# Altium PCB 200330 DISCHARGE R2.PcbDoc (part 1 of 2) (continued)
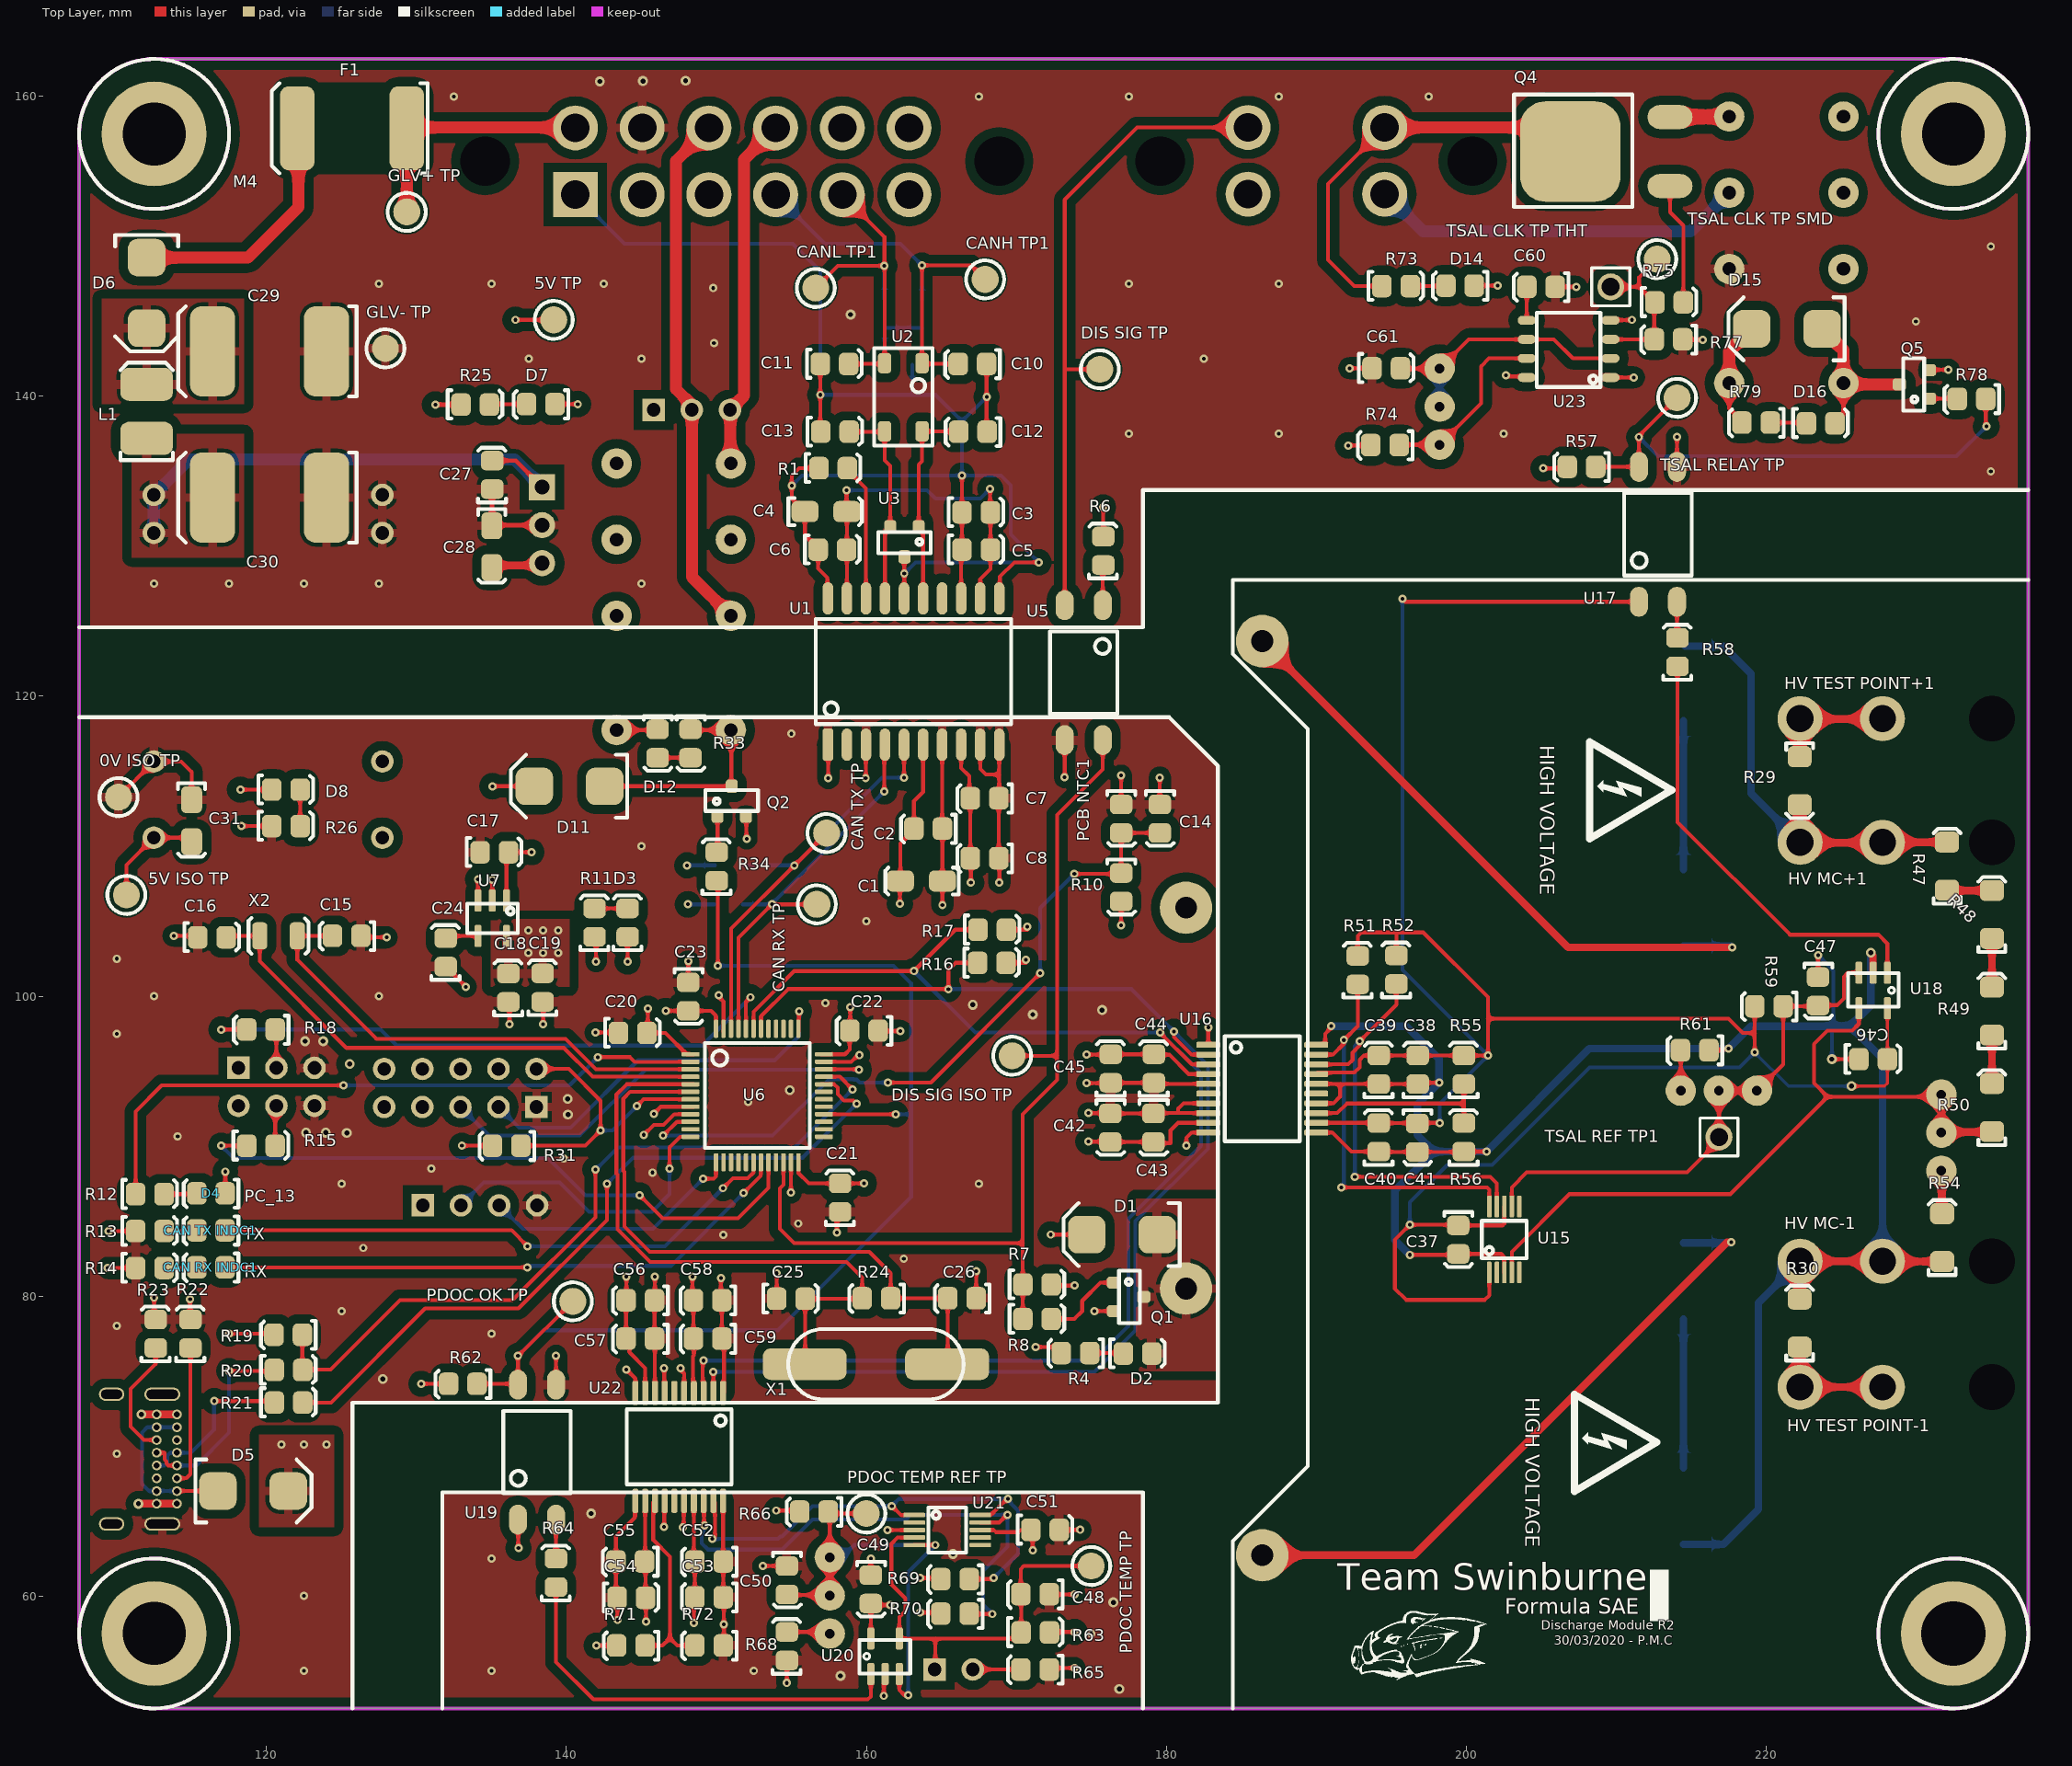
[diagram p0: Top Layer view]
## Components (designator, comment, footprint, x,y, rotation, side; value= is the part's Value field where it differs from the comment)
"0V ISO TP" "0mm" "SMD Test Point" 110.125,113.275 r90 top
"5V ISO TP" "0mm" "SMD Test Point" 110.65,106.75 r90 top
"5V TP" "0mm" "SMD Test Point" 139.15,145.1 r270 top
BOOT1 "2.54mm" "TH 2.54mm Header 2x3" 118.115,95.222 r0 bottom
C1 "10nF" 1206 162.475,107.675 r180 top
C2 "100nF" 0805 164.113,111.149 r180 top
C3 "100nF" 0805 167.342,132.288 r0 top
C4 "10nF" 1206 158.505,132.317 r0 top
C5 "10uF" 0805 167.342,129.803 r0 top
C6 "100nF" 0805 157.751,129.803 r0 top
C7 "10uF" 0805 167.875,113.175 r180 top
C8 "100nF" 0805 167.875,109.175 r180 top
C9 "22pF" 0805 162.1,142.125 r180 bottom
C10 "100pF" 0805 167.062,142.136 r180 top
C11 "100pF" 0805 157.886,142.188 r0 top
C12 "100pF" 0805 167.093,137.612 r180 top
C13 "100pF" 0805 157.917,137.664 r0 top
C14 "100nF" 0805 179.6,111.823 r270 top
C15 "22pF" 0805 125.338,103.999 r180 top
C16 "22pF" 0805 116.362,103.951 r0 top
C17 "1uF" 0805 135.2,109.625 r0 top
C18 "100nF" 0805 136.1,100.575 r90 top
C19 "1uF" 0805 138.384,100.584 r90 top
C20 "1uF" 0805 144.425,97.575 r0 top
C21 "100nF" 0805 158.225,86.575 r90 top
C22 "100nF" 0805 159.825,97.675 r180 top
C23 "100nF" 0805 148.151,99.963 r270 top
C24 "22uF" 0805 131.924,102.937 r90 top
C25 "22pF" 0805 154.987,79.851 r0 top
C26 "22pF" 0805 166.363,79.83 r180 top
C27 "10uF" 0805 135.025,134.775 r90 top
C28 "22uF" 1206 135.025,128.775 r270 top
C29 "68uF" 2924 120.25,143 r180 top
C30 "22uF" 2924 120.25,133.25 r180 top
C31 "22uF" 1206 115,110.5 r270 top
C37 "100nF" 0805 199.5,83.75 r270 top
C38 "10nF" 0805 196.75,95.1 r90 top
C39 "100nF" 0805 194.146,95.1 r90 top
C40 "10uF" 0805 194.146,90.6 r90 top
C41 "100nF" 0805 196.771,90.552 r270 top
C42 "100nF" 0805 176.3,91.213 r270 top
C43 "10uF" 0805 179.17,91.213 r270 top
C44 "100nF" 0805 179.149,95.187 r90 top
C45 "10nF" 0805 176.279,95.187 r90 top
C46 "100nF" 0805 227.162,95.826 r0 top
C47 "100nF" 0805 223.504,100.314 r270 top
C48 "100nF" 0805 171.238,60.1 r180 top
C49 "100nF" 0805 160.326,60.438 r270 top
C50 "100nF" 0805 154.726,61.038 r270 top
C51 "100nF" 0805 171.933,64.44 r0 top
C52 "10nF" 0805 149.5,62.274 r180 top
C53 "100nF" 0805 149.5,59.889 r180 top
C54 "10uF" 0805 144.334,59.91 r0 top
C55 "100nF" 0805 144.238,62.274 r180 top
C56 "100nF" 0805 144.912,79.7 r180 top
C57 "10uF" 0805 144.912,77.136 r180 top
C58 "100nF" 0805 149.401,79.7 r180 top
C59 "10nF" 0805 149.401,77.136 r180 top
C60 "100pF" 0805 204.988,147.274 r180 top
C61 "22uF" 0805 194.687,141.901 r0 top
"CAN RX INDC1" "Blue" "0805 LED" 116.275,81.89 r180 top
"CAN RX TP" "0mm" "SMD Test Point" 156.7,106.125 r180 top
"CAN TERM R1" "56R" 0805 161.25,145.525 r90 bottom
"CAN TERM R2" "56R" 0805 163.675,145.477 r270 bottom
"CAN TX INDC1" "Blue" "0805 LED" 116.275,84.358 r180 top
"CAN TX TP" "0mm" "SMD Test Point" 157.35,110.875 r180 top
"CANH TP1" "0mm" "SMD Test Point" 167.925,147.8 r90 top
"CANL TP1" "0mm" "SMD Test Point" 156.625,147.225 r90 top
D1 "SD560BTR" "SMB Diode" 179.15,84.1 r180 top
D2 "Orange" "0805 LED" 178.1,76.195 r0 top
D3 "Red" "0805 LED" 144.054,104.912 r90 top
D4 "Red" "0805 LED" 116.275,86.825 r180 top
D5 "SD560BTR" "SMB Diode" 117,67 r0 top
D6 "SD560BTR" "SMB Diode" 112,149 r270 top
D7 "Red" "0805 LED" 138.275,139.454 r180 top
D8 "Red" "0805 LED" 121.3,113.8 r0 top
D11 "SD560BTR" "SMB Diode" 142.3,114 r180 top
D12 "Green" "0805 LED" 146.101,116.838 r270 top
D14 "Red" "0805 LED" 199.59,147.357 r180 top
D15 "SD560BTR" "SMB Diode" 223.5,144.5 r180 top
D16 "Red" "0805 LED" 223.662,138.226 r0 top
"DIS SIG ISO TP" "0mm" "SMD Test Point" 169.725,96.025 r90 top
"DIS SIG TP" "0mm" "SMD Test Point" 175.575,141.8 r90 top
F1 "0ZCF0200AF2C" 2920 129.35,157.875 r180 top
"GLV+ TP" "0mm" "SMD Test Point" 129.35,152.3 r90 top
"GLV- TP" "0mm" "SMD Test Point" 127.925,143.2 r90 top
"HV MC+1" "39300020" 39300020 227.776,110.256 r270 bottom
"HV MC-1" "39300020" 39300020 227.776,82.325 r270 bottom
"HV TEST POINT+1" "39300020" 39300020 227.776,118.506 r270 bottom
"HV TEST POINT-1" "39300020" 39300020 227.776,73.931 r270 bottom
K1 "V23105A5475A201" "TI 2-DIL" 147.154,126.635 r90 bottom
K2 "V23105A5475A201" "TI 2-DIL" 221.36,149.77 r90 bottom
L1 "12uH" 1812 112,139 r90 top
P1 "USB4085-GF-A" USB4085-GF-A 110,69 r90 bottom
"PCB NTC1" "10K (NTC) (B25/85 3430K)" 0805 177.022,111.823 r270 top
"PDOC Bypass1" "2.54mm" "TH 2.54mm Header 1x3" 145.825,139.1 r0 bottom
"PDOC NTC1" "2.54mm" "TH 2.54mm Header 1x2" 164.56,55.1 r0 bottom
"PDOC OK TP" "0mm" "SMD Test Point" 140.425,79.65 r90 top
"PDOC TEMP REF TP" "0mm" "SMD Test Point" 160,65.5 r270 top
"PDOC TEMP TP" "0mm" "SMD Test Point" 175,62 r270 top
Q1 "2N7002K" "ON SOT-23 MOSFET" 177.5,79.95 r270 top
Q2 "2N7002K" "ON SOT-23 MOSFET" 151.025,113 r0 top
Q4 "STD70N10F4" "STM TO-252 MOSFET" 213.6,158.625 r270 top
Q5 "2N7002K" "ON SOT-23 MOSFET" 229.9,140.8 r90 top
R1 "0R" 0805 157.794,135.238 r0 top
R2 "1k" "B TO-263" 204.3,105.9 r270 bottom
R3 "1k" "B TO-263" 204.3,120.9 r270 bottom
R4 "1.5k" 0805 173.938,76.174 r180 top
R5 "1k" "B TO-263" 204.3,66.001 r270 bottom
R6 "1.5k" 0805 175.774,129.712 r90 top
R7 "1.5k" 0805 171.4,80.8 r0 top
R8 "10R" 0805 171.4,78.5 r0 top
R9 "1k" "B TO-263" 204.3,81.001 r270 bottom
R10 "10k" 0805 177.022,107.25 r270 top
R11 "510R" 0805 141.849,104.912 r90 top
R12 "510R" 0805 112.225,86.825 r0 top
R13 "680R" 0805 112.225,84.363 r0 top
R14 "680R" 0805 112.225,81.901 r0 top
R15 "10k" 0805 119.637,90.051 r0 top
R16 "5.1k" 0805 168.38,102.249 r0 top
R17 "5.1k" 0805 168.405,104.458 r0 top
R18 "10k" 0805 119.613,97.749 r180 top
R19 "1.5k" 0805 121.426,77.4 r180 top
R20 "20R" 0805 121.475,75.1 r0 top
R21 "20R" 0805 121.475,72.926 r0 top
R22 "5.1k" 0805 114.9,77.5 r90 top
R23 "5.1k" 0805 112.584,77.5 r90 top
R24 "10M" 0805 160.663,79.83 r180 top
R25 "680R" 0805 133.925,139.475 r0 top
R26 "510R" 0805 121.3,111.37 r0 top
R27 "5.1k" 0805 150.8,106.15 r180 bottom
R28 "5.1k" 0805 150.848,108.75 r180 bottom
R29 "15K" "VB 0204" 222.25,114.375 r270 top
R30 "15K" "VB 0204" 222.25,78.2 r90 top
R31 "10k" 0805 136,90 r180 top
R33 "680R" 0805 148.301,116.838 r270 top
R34 "10R" 0805 149.999,108.662 r90 top
R47 "330K" "VB 0204" 232.075,108.675 r90 top
R48 "330K" "VB 0204" 235.075,105.442 r90 top
R49 "330K" "VB 0204" 235.075,99.008 r90 top
R50 "330K" "VB 0204" 235.075,92.575 r90 top
R51 "5.6k" 0805 192.75,101.75 r90 top
R52 "5.6k" 0805 195.325,101.775 r90 top
R53 "10K (Var)" "B 3296" 232.259,90.986 r90 bottom
R54 "10K" "VB 0204" 231.75,83.9 r90 top
R55 "30k" 0805 199.825,95.1 r90 top
R56 "10k" 0805 199.825,90.6 r90 top
R57 "3k" 0805 207.688,135.272 r180 top
R58 "1.5k" 0805 214.074,122.962 r90 top
R59 "10k" 0805 220.188,99.299 r180 top
R60 "10K (Var)" "B 3296" 216.774,94.259 r180 bottom
R61 "10k" 0805 215.238,96.374 r180 top
R62 "3k" 0805 133.075,74.125 r180 top
R63 "2k" 0805 171.286,57.6 r0 top
R64 "680R" 0805 139.274,61.562 r90 top
R65 "10k" 0805 171.238,55.074 r180 top
R66 "10k" 0805 156.5,65.6 r180 top
R67 "10K (Var)" "B 3296" 157.004,59.946 r270 bottom
R68 "10k" 0805 154.674,56.662 r90 top
R69 "5.6k" 0805 165.9,61.1 r180 top
R70 "5.6k" 0805 165.9,58.8 r180 top
R71 "30k" 0805 144.286,56.674 r180 top
R72 "10k" 0805 149.5,56.674 r180 top
R73 "1.5k" 0805 195.348,147.378 r0 top
R74 "5.1k" 0805 194.575,136.725 r180 top
R75 "10R" 0805 213.55,146.3 r0 top
R76 "10K (Var)" "B 3296" 197.675,139.225 r270 bottom
R77 "20k" 0805 213.488,143.774 r180 top
R78 "10R" 0805 233.7,139.8 r180 top
R79 "1.5k" 0805 219.338,138.224 r180 top
"SECONDARY INTERFACE" "DTF13-4P" DTF13-4P 190.015,157.93 r0 bottom
SERIAL1 "2.54mm" "TH 2.54mm Header 1x4" 130.425,86.05 r0 bottom
STLINK1 "2.54mm" "TH 2.54mm Header 2x5" 138.005,92.61 r180 bottom
"TSAL CLK TP SMD" "0mm" "SMD Test Point" 212.75,149.15 r90 top
"TSAL CLK TP THT" "0mm" "TH Test Point" 209.65,147.3 r270 top
"TSAL REF TP1" "0mm" "TH Test Point" 216.869,90.611 r90 top
"TSAL RELAY TP" "0mm" "SMD Test Point" 214.075,139.9 r270 top
U1 "ADM3053" "AD SOIC-W 20" 163.151,121.647 r0 top
U2 "B82787C0104H002" "TDK 4-PC Pad" 163.719,142.215 r270 top
U3 "NUP2105L" "ON SOT-23" 162.544,130.295 r180 top
U4 "3350-4275-056" "CI SPST" 181.325,93.2 r90 bottom
U5 "LTV-817S-TA1" "ON 4-SMD" 174.5,121.325 r270 top
U6 "STM32F103C8T6" "STM 48-LQFP" 152.725,93.375 r270 top
U7 "RT9193-33GB" "RICHTEK SOT-23-5" 135,105.375 r180 top
U8 "R-78C5.0-1.0" "RECOM 3-SIP" 138.375,133.95 r270 bottom
U9 "JTC0424S05" "24-DIP Module, 7 Leads" 120.1,122 r270 bottom
U15 "ADS1115" "TI 10-VSSOP" 202.55,83.775 r90 top
U16 "ADM3260" "AD 20-SSOP" 186.406,93.828 r270 top
U17 "LTV-817S-TA1" "ON 4-SMD" 212.8,131.05 r90 top
U18 "TS391ILT" "ON SOT-23-5" 228.725,102.537 r180 top
U19 "LTV-817S-TA1" "ON 4-SMD" 138.036,69.846 r90 top
U20 "TS391ILT" "ON SOT-23-5" 159.675,53.825 r0 top
U21 "ADS1115" "TI 10-VSSOP" 165.4,64.4 r0 top
U22 "ADM3260" "AD 20-SSOP" 147.524,69.946 r180 top
U23 "NE555DR" "TI 8-SOIC" 199.961,143.8 r180 top
"UNIVERSAL INTERFACE" "DTF13-12P" DTF13-12P 151.714,157.9 r0 bottom
X1 "Value" "Abracon HC-49/US" 160.64,75.456 r180 top
X2 "32.768kHz" "EPSON 2-SMD" 120.8,104.025 r180 top

## Footprints (in the part's own frame and the unit in brackets; to place one, negate y for a bottom-side part, rotate by r counter-clockwise, add the part's x,y. Pads: shape width x height; smd on the part's side, far side on the other; paste and mask are expansions set on the pad)
"24-DIP Module, 7 Leads" [mm]
  round 1.5 hole 0.9: 2(-11.43,-7.62) 3(-8.89,-7.62) 9(6.35,-7.62) 11(11.43,-7.62) 14(11.43,7.62) 16(6.35,7.62) 22(-8.89,7.62) 23(-11.43,7.62)
  silkscreen extent -15.88,-10.16 15.88,10.16, body extent -15.88,-10.16 15.87,10.16, height 10.41
0805 [mm]
  rrect50% 1.3x1.5 smd: 1(-0.962,-0.026) 2(0.938,-0.026)
  silkscreen extent -1.85,-0.95 1.8,0.93, body extent -1,-0.65 1,0.66, height 0.73
"0805 LED" [mm]
  rrect50% 1.3x1.5 smd: A(-0.962,-0.026) K(0.938,-0.026)
  silkscreen extent -1.85,-0.95 1.8,0.93, body extent -1.1,-0.62 0.9,0.62, height 1
1206 [mm]
  rrect50% 1.8x1.4 smd: 1(-2.6,0) 2(0.2,0)
  silkscreen extent -3.7,-0.9 1.2,0.9, body extent -2.9,-0.9 0.5,0.9, height 1.85
1812 [mm]
  rrect50% 2.2x3.5 smd: 1(-1.8,0) 2(1.8,0)
  silkscreen extent -3.25,-1.75 3.25,1.75, body extent -2.25,-1.6 2.25,1.6, height 2.5
2920 [mm]
  rrect50% 2.3x5.6 smd: 1(0,0) 2(7.3,0)
  silkscreen extent -1.4,-3 9,3, body extent -0.34,-2.81 7.64,2.81, height 1.14
2924 [mm]
  rrect50% 3x6 smd: 1(-3.75,0) 2(3.85,0)
  silkscreen extent -5.75,-3 6.15,3, body extent -3.94,-2.81 4.04,2.81, height 1.14
39300020 [mm]
  round 3 hole 1.8: 1(0,0) 2(0,5.5)
  round 1.524 hole 3.05: ""(0,-7.3)
  body extent -2.7,-13.97 3.1,5.97, height 11.4
"Abracon HC-49/US" [mm]
  rrect50% 5.6x2.1 smd: 1(-4.75,0) 2(4.75,0)
  silkscreen extent -5.85,-2.35 5.85,2.35, body extent -6.35,-2.35 6.35,2.35, height 4.06
"AD 20-SSOP" [mm]
  rrect50% 0.4x1.6 smd: 1(-2.925,-3.6) 2(-2.275,-3.6) 3(-1.625,-3.6) 4(-0.975,-3.6) 5(-0.325,-3.6) 6(0.325,-3.6) 7(0.975,-3.6) 8(1.625,-3.6) 9(2.275,-3.6) 10(2.925,-3.6) 11(2.925,3.6) 12(2.275,3.6) 13(1.625,3.6) 14(0.975,3.6) 15(0.325,3.6) 16(-0.325,3.6) 17(-0.975,3.6) 18(-1.625,3.6) 19(-2.275,3.6) 20(-2.925,3.6)
  silkscreen extent -3.5,-2.5 3.5,2.5, body extent -3.64,-3.9 3.56,3.9, height 1.2
"AD SOIC-W 20" [mil]
  rrect50% 28x85 smd: 1(-225,-192.02)
  oval 28x85 smd: 2(-175,-192.02) 3(-125,-192.02) 4(-75,-192.02) 5(-25,-192.02) 6(25,-192.02) 7(75,-192.02) 8(125,-192.02) 9(175,-192.02) 10(225,-192.02) 11(225,192.02) 12(175,191.98) 13(125,191.98) 14(75,191.98) 15(25,191.98) 16(-25,191.98) 17(-75,191.98) 18(-125,191.98) 19(-175,191.98) 20(-225,191.98)
  silkscreen extent -257,-138 256,138, body extent -260,-210 260,210, height 105
"B 3296" [mil]
  round 80 hole 25.2: 1(-103.39,-22) 2(-3.39,-22) 3(96.61,-22)
  silkscreen extent -193,-97 187,143, body extent -191,-97 184,143, height 455
"B TO-263" [mm]
  rrect50% 2x3.8 smd: 1(-2.55,-10.2) 2(2.55,-10.2)
  rrect50% 12.7x11.4 smd: ""(0,0)
  silkscreen extent -6.8,-10.56 6.75,6.1, body extent -5.19,-11.02 5.45,4.83, height 4.8
"CI SPST" [mm]
  round 3.5 hole 1.45: 1(30.48,5.08) 2(12.7,0) 3(-12.7,0) 4(-30.48,5.08)
  silkscreen extent -38.73,-8.26 38.73,13.97, body extent -38.1,-4.45 38.1,13.34, height 20.57
DTF13-4P [mm]
  round 3 hole 3.3 unplated: 0(-10.415,2.25) 0(10.415,2.25)
  round 3 hole 1.9: 1(-4.56,4.45) 2(-4.56,0) 3(4.56,4.45) 4(4.56,0)
  silkscreen extent -5,-4.45 5,-4.45, body extent -13.68,-25.73 13.5,7.73, height 26.65
DTF13-12P [mm]
  round 3 hole 3.3 unplated: 0(-17.145,2.22) 0(17.145,2.22)
  rect 3x3 hole 1.9: 1(-11.114,4.45)
  round 3 hole 1.9: 2(-6.664,4.45) 3(-2.214,4.45) 4(2.236,4.45) 5(6.686,4.45) 6(11.136,4.45) 7(11.136,0) 8(6.686,0) 9(2.236,0) 10(-2.214,0) 11(-6.664,0) 12(-11.114,0)
  silkscreen extent -15.56,-4.45 15.59,-4.45, body extent -20.79,-27.74 20.79,6.55, height 26.13
"EPSON 2-SMD" [mm]
  rrect50% 1x1.8 smd: 1(-1.25,0) 2(1.25,0)
  silkscreen extent -2,-1.2 2,1.2, body extent -1.5,-1 1.5,1, height 1
"ON 4-SMD" [mm] "SOP, 4-Leads, Body 3.85x4.4mm, Pitch 2.54mm, IPC Medium Density"
  oval 2x1.2 smd: 1(-4.75,1.27) 2(-4.75,-1.27) 3(4.25,-1.27) 4(4.25,1.27)
  silkscreen extent -3,-2.25 2.5,2.25, body extent -5.33,-2.3 4.83,2.3, height 4.6
"ON SOT-23" [mm] "NUP2105L"
  rrect50% 0.8x0.9 smd: 1(-0.95,-1) 2(0.95,-1) 3(0,1)
  silkscreen extent -1.75,-0.65 1.75,0.75, body extent -1.5,-1.27 1.5,1.28, height 1
"ON SOT-23 MOSFET" [mm] "NUP2105L"
  rrect50% 0.8x0.9 smd: D(0,1) G(-0.95,-1) S(0.95,-1)
  silkscreen extent -1.75,-0.65 1.75,0.75, body extent -1.5,-1.27 1.5,1.28, height 1
"ON SOT-23-5" [mil]
  rrect50% 19x58 smd: 1(24.61,38.39) 2(62.01,38.39) 3(99.41,38.39) 4(99.41,131.39) 5(24.61,131.39)
  silkscreen extent -5,39 128,128, body extent 2,27 122,145, height 57
"RECOM 3-SIP" [mm] "12 to 42 Vdc In, 9 Vdc Out"
  rect 1.75x1.75 hole 1: 1(0,0)
  round 1.75 hole 1: 2(2.54,0) 3(5.08,0)
  silkscreen extent -3.5,-2 8.5,6.5, body extent -3.26,-2.02 8.34,6.48, height 11.41
"RICHTEK SOT-23-5" [mil]
  rrect50% 19x58 smd: 1(-39.37,-39.37) 2(-1.97,-39.37) 3(35.43,-39.37) 4(35.43,53.63) 5(-39.37,53.63)
  silkscreen extent -69,-31 64,46, body extent -62,-51 58,67, height 57
"SMB Diode" [mm]
  rrect50% 2.5x2.5 smd: A(-0.25,0) K(4.45,0)
  silkscreen extent -1.75,-2.1 6,2.1, body extent -0.69,-1.97 4.9,1.97, height 2.5
"SMD Test Point" [mm]
  round 1.8 smd: 1(0,0)
  silkscreen extent -1.27,-1.27 1.27,1.27
"STM 48-LQFP" [mm]
  rrect50% 0.3x1.2 smd mask+0.05: 1(-2.75,-4.45) 2(-2.25,-4.45) 3(-1.75,-4.45) 4(-1.25,-4.45) 5(-0.75,-4.45) 6(-0.25,-4.45) 7(0.25,-4.45) 8(0.75,-4.45) 9(1.25,-4.45) 10(1.75,-4.45) 11(2.25,-4.45) 12(2.75,-4.45) 25(2.75,4.45) 26(2.25,4.45) 27(1.75,4.45) 28(1.25,4.45) 29(0.75,4.45) 30(0.25,4.45) 31(-0.25,4.45) 32(-0.75,4.45) 33(-1.25,4.45) 34(-1.75,4.45) 35(-2.25,4.45) 36(-2.75,4.45)
  rrect50% 1.2x0.3 smd mask+0.05: 13(4.45,-2.75) 14(4.45,-2.25) 15(4.45,-1.75) 16(4.45,-1.25) 17(4.45,-0.75) 18(4.45,-0.25) 19(4.45,0.25) 20(4.45,0.75) 21(4.45,1.25) 22(4.45,1.75) 23(4.45,2.25) 24(4.45,2.75) 37(-4.45,2.75) 38(-4.45,2.25) 39(-4.45,1.75) 40(-4.45,1.25) 41(-4.45,0.75) 42(-4.45,0.25) 43(-4.45,-0.25) 44(-4.45,-0.75) 45(-4.45,-1.25) 46(-4.45,-1.75) 47(-4.45,-2.25) 48(-4.45,-2.75)
  silkscreen extent -3.5,-3.5 3.5,3.5, body extent -4.6,-4.6 4.6,4.6, height 1.6
"STM TO-252 MOSFET" [mm]
  rrect50% 6.7x6.7 smd: D(2.3,-6.65)
  oval 1.6x3 smd: G(4.6,0) S(0,0)
  silkscreen extent -1.5,-10.4 6,-2.5, body extent -1.08,-9.67 5.64,0.75, height 2.39
"TDK 4-PC Pad" [mm]
  rrect50% 1.35x0.9 smd: 1(0,0) 2(0,-2.5) 3(4.55,-2.5) 4(4.55,0)
  silkscreen extent -1,-3.2 5.5,0.7, body extent -0.02,-2.82 4.48,0.38, height 2.8
"TH 2.54mm Header 1x2" [mm]
  rect 1.5x1.5 hole 0.9: 1(0,0)
  round 1.5 hole 0.9: 2(2.54,0)
  silkscreen extent -1.27,-1.27 3.81,1.27
"TH 2.54mm Header 1x3" [mm]
  rect 1.5x1.5 hole 0.9: 1(0,0)
  round 1.5 hole 0.9: 2(2.54,0) 3(5.08,0)
  silkscreen extent -1.27,-1.27 6.35,1.27
"TH 2.54mm Header 1x4" [mm]
  rect 1.5x1.5 hole 0.9: 1(0,0)
  round 1.5 hole 0.9: 2(2.54,0) 3(5.08,0) 4(7.62,0)
  silkscreen extent -1.27,-1.27 8.89,1.27
"TH 2.54mm Header 2x3" [mm]
  rect 1.5x1.5 hole 0.9: 1(0,0)
  round 1.5 hole 0.9: 2(0,2.54) 3(2.54,0) 4(2.54,2.54) 5(5.08,0) 6(5.08,2.54)
  silkscreen extent -1.27,-1.27 6.35,3.81
"TH 2.54mm Header 2x5" [mm]
  rect 1.5x1.5 hole 0.9: 1(0,0)
  round 1.5 hole 0.9: 2(0,2.54) 3(2.54,0) 4(2.54,2.54) 5(5.08,0) 6(5.08,2.54) 7(7.62,0) 8(7.62,2.54) 9(10.16,0) 10(10.16,2.54)
  silkscreen extent -1.27,-1.27 11.43,3.81
"TH Test Point" [mm]
  round 1.8 hole 1.2: 1(0,0)
  silkscreen extent -1.27,-1.27 1.27,1.27
"TI 2-DIL" [mil]
  round 80 hole 35.43: 1(-350,-150) 4(-50,-150) 6(150,-150) 8(350,-150) 9(350,150) 11(150,150) 13(-50,150) 16(-350,150)
  silkscreen extent -400,-200 400,200, body extent -398,-197 398,197, height 450
"TI 8-SOIC" [mm]
  oval 1.2x0.6 smd: 1(-9.677,2.54) 2(-9.677,1.27) 3(-9.677,0) 4(-9.677,-1.27) 5(-4.089,-1.27) 6(-4.089,0) 7(-4.089,1.27) 8(-4.089,2.54)
  silkscreen extent -9,-1.78 -4.75,3.17, body extent -9.96,-1.87 -3.76,3.14, height 1.76
"TI 10-VSSOP" [mm]
  rrect50% 1.45x0.3 smd mask+0.05: 1(-2.2,1) 2(-2.2,0.5) 3(-2.2,0) 4(-2.2,-0.5) 5(-2.2,-1) 6(2.2,-1) 7(2.2,-0.5) 8(2.2,0) 9(2.2,0.5) 10(2.2,1)
  silkscreen extent -1.25,-1.5 1.25,1.5, body extent -2.45,-1.5 2.45,1.5, height 1.12
USB4085-GF-A [mm]
  round 0.65 hole 0.4: A1(-2.848,4.025) A4(-1.998,4.025) A5(-1.148,4.025) A6(-0.298,4.025) A7(0.552,4.025) A8(1.402,4.025) A9(2.252,4.025) A12(3.102,4.025) B1(3.102,2.675) B4(2.252,2.675) B5(1.402,2.675) B6(0.552,2.675) B7(-0.298,2.675) B8(-1.148,2.675) B9(-1.998,2.675) B12(-2.848,2.675)
  oval 0.9x2.4 hole 0.6 slot 2.1 at 90 deg: P1(-4.198,3.045) P2(4.452,3.045)
  oval 0.9x1.7 hole 0.6 slot 1.4 at 90 deg: P3(4.452,-0.335) P4(-4.198,-0.335)
  silkscreen extent -4.35,-2.07 4.6,4.58, body extent -4.39,-4.56 4.64,4.61, height 3.46
"VB 0204" [mm]
  rrect50% 1.4x1.6 smd: 1(-1.6,0) 2(1.6,0)
  silkscreen extent -2.5,-0.9 2.5,0.9, body extent -1.8,-0.7 1.8,0.7, height 1.4

## Part data
"0V ISO TP" "5V ISO TP" "5V TP" "CAN RX TP" "CAN TX TP" "CANH TP1" "CANL TP1" "DIS SIG ISO TP" "DIS SIG TP" "GLV+ TP" "GLV- TP" "PDOC OK TP" "PDOC TEMP REF TP" "PDOC TEMP TP" "TSAL CLK TP SMD" "TSAL RELAY TP": library part "SMD Test Point", Angle=0, Contact=NA, Flange=No, Part Number="SMD Test Point", Pitch=0mm, Positions=1, Row Spacing=0
BOOT1: library part "TH 2.54mm Header 2x3", Angle=0, Contact=NA, Flange=No, Part Number="TH 2.54mm Header 2x3", Pitch=2.54mm, Positions=6, Row Spacing=2.54mm
C1 C4: library part GCM3195C2A103JA16D, Digikey Part Number=490-4978-2-ND, Manufacturer=muRata, Rated Voltage=100V, Tolerance=5%, Material=Ceramic, Part Number=GCM3195C2A103JA16D
C2 C3 C6 C8 C14 C18 C21 C22 C23 C37 C39 C41 C42 C44 C46 C47 C48 C49 C50 C51 C53 C55 C56 C58: library part GCM21BR71E104KA37L, Manufacturer=muRata, Rated Voltage=25V, Tolerance=10%, Material=X7R, Part Number=GCM21BR71E104KA37L
C5 C7 C27 C40 C43 C54 C57: library part GRM21BR6YA106KE43L, Digikey Part Number=490-10514-6-ND, Manufacturer=muRata, Rated Voltage=50V, Tolerance=10%, Material=X5R, Part Number=GRM21BR6YA106KE43L
C9 C15 C16 C25 C26: library part GCM21B5C1H220JA37L, Manufacturer=muRata, Rated Voltage=50V, Tolerance=5%, Material=C0G, Part Number=GCM21B5C1H220JA37L
C10 C11 C12 C13 C60: library part GCM21B5C1H101JA37L, Manufacturer=muRata, Rated Voltage=50V, Tolerance=5%, Material=C0G, Part Number=GCM21B5C1H101JA37L
C17 C19 C20: library part AC0805KKX7R8BB105, Manufacturer=YAGEO, Rated Voltage=25V, Tolerance=10%, Material=X7R, Part Number=AC0805KKX7R8BB105
C24 C61: library part GRM21BR61A226ME51L, Digikey Part Number=490-10511-1-ND, Manufacturer=muRata, Rated Voltage=10V, Tolerance=20%, Material=X5R, Part Number=GRM21BR61A226ME51L
C28 C31: library part CC1206MKX5R7BB226, Digikey Part Number=311-1997-2-ND, Manufacturer=YAGEO, Rated Voltage=16V, Tolerance=20%, Material=Ceramic, Part Number=CC1206MKX5R7BB226
C29: library part TAJV686K035RNJ, Digikey Part Number=478-13135-1-ND, Manufacturer="AVX Corporation", Rated Voltage=35V, Tolerance=10%, Material=Tantalum, Part Number=TAJV686K035RNJ
C30: library part TAJV226K050RNJ, Digikey Part Number=478-5811-1-ND, Manufacturer="AVX Corporation", Rated Voltage=50V, Tolerance=10%, Material=Tantalum, Part Number=TAJV226K050RNJ
C38 C45 C52 C59: library part GCM21BR71H103KA37L, Manufacturer=muRata, Rated Voltage=50V, Tolerance=10%, Material=X7R, Part Number=GCM21BR71H103KA37L
"CAN RX INDC1" "CAN TX INDC1": library part SML-MN2BCTT86C, "LED BLUE CLEAR 2012 SMD", Digikey Part Number=846-1207-1-ND, Manufacturer="ROHM Semiconductor", Colour=Blue, Digikey Link=https://www.digikey.com/product-detail/en/rohm-semiconductor/SMLMN2BCTT86C/846-1207-1-ND/6057239, Part Number=SML-MN2BCTT86C
"CAN TERM R1" "CAN TERM R2": library part RC0805FR0756RL, Manufacturer=YAGEO, Rated Voltage=0.125W, Tolerance=0.01, Material=FR-07, Part Number=RC0805FR0756RL
D1 D5 D6 D11 D15: "1.2V_F 600V 5A SMB", Digikey Part Number=1655-1530-2-ND, Manufacturer="SMC Diode Solutions", Digikey Link=https://www.digikey.com/product-detail/en/smc-diode-solutions/SD560BTR/1655-1530-2-ND/6022620, Part Number=SD560BTR
D2: library part SML-211DTT86, "Orange LED Indication - Discrete 1.75V 0805 (2012 Metric)", Digikey Part Number=511-1291-1-ND, Manufacturer="ROHM Semiconductor", Colour=Orange, Digikey Link=https://www.digikey.com/product-detail/en/rohm-semiconductor/SML-211DTT86/511-1291-1-ND/637104, Part Number=SML-211DTT86
D3 D4 D7 D8 D14 D16: library part SML-210LTT86, "Red LED Indication - Discrete 1.75V 0805 (2012 Metric)", Digikey Part Number=511-1286-1-ND, Manufacturer="ROHM Semiconductor", Colour=Red, Digikey Link=https://www.digikey.com/product-detail/en/rohm-semiconductor/SML-210LTT86/511-1286-1-ND/637099, Part Number=SML-210LTT86